# Allegro board pc065a_toplevel_45_8layers.brd (continued)
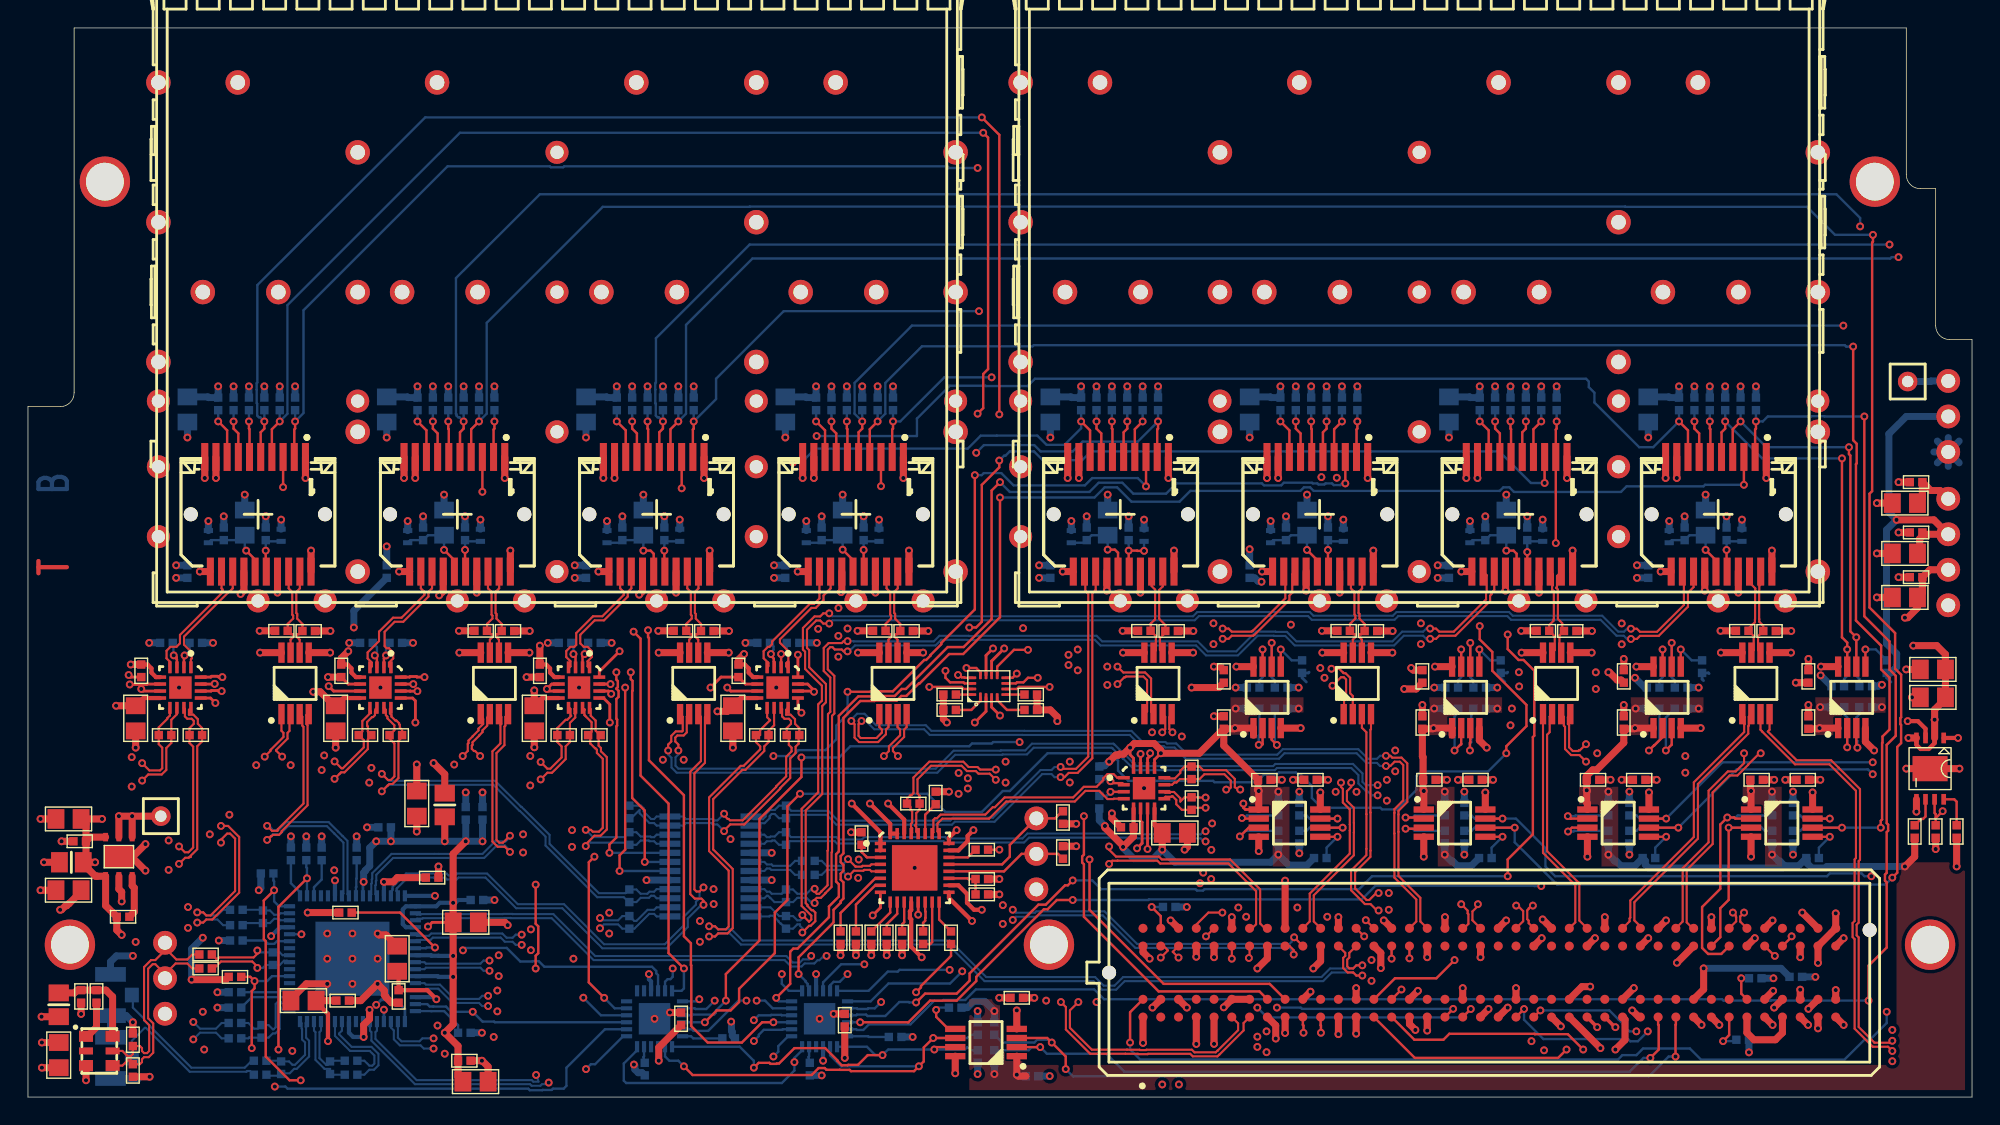
[diagram p0: board, top side]
## Routing (per net, layer and track width the routed paths; a pad name or vN(x,y) marks a point on that pad's centre or on a via; arc(x,y) is an arc through that point) (continued)
SFP_I2C_SCL<5>: length 28.1
  TOP w0.17: IC18.7 v1(102.47,32.03) ; v1(92.85,48.35) 92.85,47.83 92.59,47.57 J32.5
  L6_SIG w0.17: v1(102.47,32.03) 102.47,32.62 99.89,35.2 99.43,35.2 97.07,37.56 97.07,39.63 94.91,41.79 94.91,46.29 v1(92.85,48.35)
  BOTTOM w0.17: R120.1 v1(92.85,48.35) ; v1(102.47,32.03) 102.47,30.04 102.25,29.81 R165.1
SFP_I2C_SCL<6>: length 27.9
  TOP w0.17: J28.5 106.84,47.57 107.1,47.83 v1(107.1,48.35) ; IC19.7 v1(116.88,32.03)
  L6_SIG w0.17: v1(116.88,32.03) 116.88,33.66 109,41.53 109,44.3 108.7,44.6 108.7,46.75 v1(107.1,48.35)
  BOTTOM w0.17: R112.1 v1(107.1,48.35) ; R170.1 116.65,29.81 116.88,30.04 v1(116.88,32.03)
SFP_I2C_SCL<7>: length 30.7
  TOP w0.17: v1(129.7,45.7) 129.7,32.9 130.07,32.52 v1(130.07,32.03) IC20.7 ; v1(121.35,48.35) 121.35,47.83 121.09,47.57 J24.5
  BOTTOM w0.17: v1(130.07,32.03) 130.07,30.14 129.85,29.91 R175.1 ; R104.1 v1(121.35,48.35) 124,45.7 v1(129.7,45.7)
SFP_I2C_SDA<0>: length 147.9
  TOP w0.17: v1(18,48.35) 17.44,47.79 J7.4 ; IC12.6 v1(94,19.27) ; v1(67.9,48.9) 68.3,49.3 68.3,51.74 68.65,52.09 68.65,68.65 v1(68.3,69)
  L3_SIG w0.17: v1(93.58,44.31) 93.1,43.84 91.06,43.84 88.4,46.5 85.71,46.5 85.69,46.48 73.02,46.48 72.3,47.2 69.6,47.2 v1(67.9,48.9)
  L6_SIG w0.17: v1(93.58,44.31) 93.58,43.82 93.6,43.8 93.6,43.3 94.58,42.33 94.58,39.98 96.1,38.45 96.1,35.96 96.08,35.94 96.08,35.06 96.1,35.04 96.1,25.5 95.97,25.38 95.97,21.37 96.1,21.25 96.1,20.5 94.88,19.27 v1(94,19.27)
  BOTTOM w0.17: v1(94,19.27) 91.64,19.27 91.41,19.05 R139.1 ; v1(68.3,69) 30.88,69 18.55,56.67 18.55,48.89 v1(18,48.35) R28.1
SFP_I2C_SDA<1>: length 196.9
  TOP w0.17: J12.4 31.69,47.79 v1(32.25,48.35) ; IC14.6 v1(106.3,19.27) ; v1(133.3,15.7) 133.65,16.05 133.65,25.05 133.93,25.33 133.93,26.63 133.88,26.68 133.88,27.12 133.93,27.17 133.93,30.22 133.5,30.65 133.5,33.2 131.67,35.03 131.67,43.17 131.86,43.36 131.86,61.14 131.92,61.2 v1(131.92,61.7)
  BOTTOM w0.17: v1(133.3,15.7) 132.8,15.2 109.33,15.2 106.3,18.23 v1(106.3,19.27) 103.44,19.27 103.21,19.05 R144.1 ; R40.1 v1(32.25,48.35) 32.8,48.89 32.8,55.4 41.1,63.7 51.59,63.7 51.61,63.72 114.19,63.72 114.21,63.7 127.2,63.7 129.2,61.7 131.91,61.7 v1(131.92,61.7)
SFP_I2C_SDA<2>: length 159.3
  TOP w0.17: IC15.6 v1(118,19.27) ; v1(46.5,48.35) 45.94,47.79 J16.4
  L6_SIG w0.17: v1(131.9,23.1) 132.73,23.1 132.9,23.27 132.9,27.1 133.08,27.28 133.08,29.82 132.9,30 132.9,41.06 132.93,41.08 132.93,41.52 132.9,41.54 132.9,53.9 133.74,54.74 v1(133.74,60.1)
  BOTTOM w0.17: R48.1 v1(46.5,48.35) 47.05,48.89 47.05,55.25 51.8,60 133.15,60 133.25,60.1 v1(133.74,60.1) ; R149.1 115.01,19.05 115.24,19.27 v1(118,19.27) 122.17,23.45 131.55,23.45 v1(131.9,23.1)
SFP_I2C_SDA<3>: length 121.2
  TOP w0.17: v1(132.47,19.27) 132.47,19.77 132.57,19.86 132.57,25.34 132.6,25.37 132.6,25.8 133.1,26.3 133.1,30 132.5,30.6 132.5,32.3 130.7,34.1 130.7,45.29 130.75,45.35 130.75,46.74 130.5,47 v1(130.5,53.7) ; IC16.6 v1(129.7,19.27) ; J20.4 60.19,47.79 v1(60.75,48.35)
  BOTTOM w0.17: v1(130.5,53.7) 130.01,53.7 129.91,53.8 71.91,53.8 71.83,53.72 63.92,53.72 61.3,51.1 61.3,48.89 v1(60.75,48.35) R56.1 ; R154.1 126.71,19.05 126.94,19.27 v1(129.7,19.27) v1(132.47,19.27)
SFP_I2C_SDA<4>: length 28.6
  TOP w0.17: J36.4 79.14,47.79 v1(79.7,48.35) ; IC17.6 v1(88.92,32.5)
  L6_SIG w0.17: v1(79.7,48.35) 80.9,47.15 80.9,41.4 82.8,39.5 82.8,38 87.95,32.85 88.58,32.85 v1(88.92,32.5)
  BOTTOM w0.17: R129.1 v1(79.7,48.35) ; v1(88.92,32.5) 88.92,30.04 89.15,29.81 R159.1
SFP_I2C_SDA<5>: length 28.5
  TOP w0.17: IC18.6 v1(103.12,32.5) ; J32.4 93.39,47.79 v1(93.95,48.35)
  L6_SIG w0.17: v1(93.95,48.35) 93.95,47.71 95.23,46.43 95.23,41.93 97.4,39.77 97.4,37.7 98.89,36.2 99.36,36.2 102.71,32.85 102.78,32.85 v1(103.12,32.5)
  BOTTOM w0.17: R121.1 v1(93.95,48.35) ; R164.1 103.35,29.81 103.12,30.04 v1(103.12,32.5)
SFP_I2C_SDA<6>: length 28.3
  TOP w0.17: IC19.6 v1(117.53,32.5) ; J28.4 107.64,47.79 v1(108.2,48.35)
  L6_SIG w0.17: v1(108.2,48.35) 109.33,47.22 109.33,41.67 117.53,33.48 v1(117.53,32.5)
  BOTTOM w0.17: R169.1 117.75,29.81 117.53,30.04 v1(117.53,32.5) ; R113.1 v1(108.2,48.35)
SFP_I2C_SDA<7>: length 31.6
  TOP w0.17: v1(122.45,48.35) 121.89,47.79 J24.4 ; v1(130.2,46.5) 130.2,46.01 130.3,45.91 130.3,33.33 v1(130.72,32.9) 130.72,30.8
  BOTTOM w0.17: R105.1 v1(122.45,48.35) 124.3,46.5 127.49,46.5 127.51,46.48 128.44,46.48 128.46,46.5 v1(130.2,46.5) ; v1(130.72,32.9) 130.72,30.14 130.95,29.91 R174.1
SFP_LOS<0>: length 88.7
  TOP w0.17: J7.8 14.24,47.71 v1(13.6,48.35)
  L3_SIG w0.17: v1(7.7,11.1) 8.9,9.9 17.3,9.9 18.2,9 25.6,9 27.1,10.5 28.56,10.5 28.88,10.18 29.32,10.18 29.99,10.85 30.75,10.85 v1(31.1,10.5)
  L6_SIG w0.17: v1(13.6,48.35) 9.65,48.35 6.25,44.95 6.25,28.69 5.78,28.22 5.78,27.78 5.97,27.58 5.97,13.53 7.22,12.28 7.22,11.58 v1(7.7,11.1)
  BOTTOM w0.17: v1(31.1,10.5) 31.27,10.67 34.23,10.67 35.2,9.7 36.06,9.7 36.08,9.72 36.52,9.72 36.92,9.33 44.62,9.33 44.92,9.02 44.92,8.86 45.05,8.73 IC23.10 ; R25.2 v1(13.6,48.35)
SFP_LOS<1>: length 72.2
  TOP w0.17: v1(36.3,9.2) 36.3,10.11 36.48,10.29 36.48,12.22 36.3,12.4 v1(36.3,15.2) ; J12.8 28.49,47.71 v1(27.85,48.35)
  L3_SIG w0.17: v1(36.3,9.2) 36.42,9.33 44.62,9.33 44.74,9.2 v1(46.1,9.2) ; v1(21.9,16.23) 22.39,16.23 22.42,16.2 26.2,16.2 26.6,15.8 29.1,15.8 29.4,15.5 34.4,15.5 34.7,15.2 v1(36.3,15.2)
  L6_SIG w0.17: v1(27.85,48.35) 26.06,48.35 22.4,44.69 22.4,32.14 22.38,32.12 22.38,31.68 22.4,31.66 22.4,25.34 22.52,25.22 22.52,24.78 22.4,24.66 22.4,24.28 22.45,24.23 22.45,16.78 v1(21.9,16.23)
  BOTTOM w0.17: v1(46.1,9.2) 46.1,8.6 45.93,8.43 45.73,8.43 45.55,8.25 IC23.11 ; R37.2 v1(27.85,48.35)
SFP_LOS<2>: length 47.4
  TOP w0.17: J16.8 42.74,47.71 v1(42.1,48.35) ; v1(43.3,33.3) 43.8,32.8 43.8,23 45.8,21 45.8,10.3 v1(46.9,9.2)
  L6_SIG w0.17: v1(42.1,48.35) 43.3,47.15 43.3,36.29 42.9,35.89 42.9,33.7 v1(43.3,33.3)
  BOTTOM w0.17: v1(46.9,9.2) 46.9,7.77 46.73,7.6 IC23.12 ; R45.2 v1(42.1,48.35)
SFP_LOS<3>: length 49.9
  TOP w0.17: v1(56.35,48.35) 56.99,47.71 J20.8
  L6_SIG w0.17: v1(48,7) 48,9.5 49.6,11.1 49.6,16.2 50.8,17.4 50.8,24.66 50.92,24.78 50.92,25.22 50.8,25.34 50.8,31.35 50.67,31.48 50.67,31.92 50.8,32.05 50.8,32.25 50.77,32.28 50.77,32.72 50.8,32.75 50.8,35.04 50.82,35.06 50.82,42.32 55.87,47.37 55.87,47.86 v1(56.35,48.35)
  BOTTOM w0.17: R53.2 v1(56.35,48.35) ; IC23.13 47.85,6.85 v1(48,7)
SFP_LOS<4>: length 70.1
  TOP w0.17: v1(75.3,48.35) 75.94,47.71 J36.8
  L6_SIG w0.17: v1(54.7,45.4) 53,43.7 53,41.12 53.27,40.85 53.27,39.78 51.67,38.18 51.67,32.87 51.83,32.72 51.83,32.28 51.67,32.13 51.67,31.97 51.73,31.92 51.73,31.48 51.67,31.43 51.67,11.14 49.1,8.57 v1(49.1,6.9)
  BOTTOM w0.17: R126.2 v1(75.3,48.35) 75.3,47.85 74.12,46.67 72.83,46.67 72.17,47.33 69.26,47.33 69.26,47.32 68.13,47.32 67.2,46.4 56.3,46.4 55.3,45.4 v1(54.7,45.4) ; IC23.14 47.67,6.35 47.72,6.3 48.5,6.3 v1(49.1,6.9)
SFP_LOS<5>: length 87.4
  TOP w0.17: J32.8 90.19,47.71 v1(89.55,48.35) ; v1(55.3,24.3) 55.3,22.9 52.3,19.9 52.3,11.2 49.9,8.8 v1(49.9,6.9)
  L3_SIG w0.17: v1(90.3,33.8) 89.8,33.8 89.17,34.42 72.03,34.42 v1(71.15,33.55)
  L6_SIG w0.17: v1(89.55,48.35) 89.92,47.98 89.92,42.26 89.42,41.77 89.42,34.67 v1(90.3,33.8) ; v1(71.15,33.55) 70.33,32.73 70.33,31.88 69.5,31.06 69.5,29.2 70.9,27.8 v1(70.9,25.4)
  BOTTOM w0.17: R118.2 v1(89.55,48.35) ; v1(55.3,24.3) 58,24.3 58.8,25.1 67.3,25.1 67.5,25.3 68.91,25.3 69.01,25.4 v1(70.9,25.4) ; IC23.15 47.47,5.85 47.52,5.9 49.06,5.9 49.18,6.03 49.18,6.18 v1(49.9,6.9)
SFP_LOS<6>: length 109.3
  TOP w0.17: v1(105.7,24.6) 105.7,25.1 107.14,26.54 107.14,28.06 104.7,30.5 104.7,31.85 103.8,32.75 v1(103.8,33.7) ; J28.8 104.44,47.71 v1(103.8,48.35) ; v1(55.2,21.7) 54.3,20.8 54.3,14.1 53.4,13.2 53.4,10.3 50.84,7.74 50.84,6.8 50.24,6.2 49.25,6.2 v1(48.4,5.35)
  L6_SIG w0.17: v1(103.8,33.7) 103.8,41.21 103.67,41.34 103.67,43.59 104.17,44.08 104.17,47.98 v1(103.8,48.35)
  BOTTOM w0.17: v1(105.7,24.6) 104.4,23.3 99.6,23.3 99.28,22.98 99.28,21.98 97.88,20.58 96.82,20.58 96.7,20.7 92.5,20.7 91.8,21.4 91.8,22.26 90.99,23.07 90.82,23.07 90.66,23.23 89.44,23.23 89.28,23.07 88.37,23.07 87.83,22.53 84.84,22.53 84.74,22.62 78.67,22.62 77.94,23.36 77.94,24.07 77.83,24.18 77.83,24.22 77.52,24.52 77.48,24.52 77.47,24.53 77.47,24.57 77.45,24.6 72.9,24.6 70.2,21.9 69.7,21.9 68.2,20.4 65.6,20.4 64.3,21.7 v1(55.2,21.7) ; IC23.16 v1(48.4,5.35) ; R110.2 v1(103.8,48.35)
SFP_LOS<7>: length 119.5
  TOP w0.17: J24.8 118.69,47.71 v1(118.05,48.35)
  L6_SIG w0.17: v1(51.37,6.9) 51.37,10.37 52,11 52,31.29 52.05,31.35 52.05,32.05 52.16,32.15 52.16,32.85 52,33.01 52,37.6 53.6,39.2 53.6,40.99 53.33,41.26 53.33,42.97 56.39,46.04 v1(56.39,47.3)
  BOTTOM w0.17: IC23.17 47.47,4.85 47.59,4.73 48.63,4.73 50.8,6.9 v1(51.37,6.9) ; v1(56.39,47.3) 63.56,47.3 63.56,48.55 65.91,50.9 68.46,50.9 68.48,50.88 71.47,50.88 72,51.4 111.4,51.4 111.6,51.2 111.6,50.8 112,50.4 112,49.7 115.2,46.5 116.2,46.5 v1(118.05,48.35) R102.2
SFP_TD_N: length 6.4
  TOP w0.15: U3.6 19.43,32.73 19.25,32.91 19.25,33.12 19.39,33.12 R23.1 19.62,33.85 19.25,34.24 19.25,34.45 19.25,34.57 19.18,34.64 19.18,36.14 19.44,36.4 J7.19
SFP_TD_N_1: length 6.4
  TOP w0.15: J12.19 33.69,36.4 33.44,36.14 33.44,34.64 33.5,34.57 33.5,34.45 33.5,34.24 33.87,33.85 R35.1 33.64,33.12 33.5,33.12 33.5,32.91 33.67,32.73 U4.6
SFP_TD_N_2: length 6.4
  TOP w0.15: 47.92,31.8 47.92,32.73 47.74,32.91 47.74,33.12 47.89,33.12 R43.1 48.12,33.85 47.75,34.24 47.75,34.45 47.75,34.57 47.69,34.64 47.69,36.14 47.94,36.4 J16.19
SFP_TD_N_3: length 6.4
  TOP w0.15: U6.6 62.17,32.73 61.99,32.91 61.99,33.12 62.14,33.12 R51.1 62.37,33.85 62,34.24 62,34.45 62,34.57 61.94,34.64 61.94,36.14 62.19,36.4 J20.19
SFP_TD_N_4: length 6.2
  TOP w0.15: U7.6 123.7,31.98 123.7,32.98 R100.1 124.07,33.73 123.79,34.01 123.79,34.19 123.78,34.2 123.78,36.08 123.79,36.1 123.79,36.59 123.89,36.69 J24.19
SFP_TD_N_5: length 6.4
  TOP w0.15: J28.19 109.33,37.29 109.33,36.5 109.26,36.44 109.39,36.31 109.39,34.22 109.54,34.07 109.54,34.06 109.7,33.9 109.7,33.48 R108.1 109.5,33.03 109.5,31.92 U8.6
SFP_TD_N_6: length 6.4
  TOP w0.15: U9.6 95.38,32.73 95.19,32.91 95.19,33.12 95.34,33.12 R116.1 95.57,33.85 95.2,34.24 95.2,34.45 95.2,34.57 95.14,34.64 95.14,36.14 95.39,36.4 J32.19
SFP_TD_N_7: length 6.3
  TOP w0.15: U10.6 80.94,31.99 80.94,32.84 81.32,33.22 R124.1 81.32,33.77 80.88,34.23 80.88,34.4 80.88,36.28 81.14,36.54 J36.19
SFP_TD_P: length 6.4
  TOP w0.15: U3.7 18.77,32.73 18.95,32.91 18.95,33.12 18.81,33.12 R22.1 18.57,33.86 18.96,34.24 18.96,34.45 18.89,34.52 18.89,36.14 18.64,36.4 J7.18
SFP_TD_P_1: length 6.4
  TOP w0.15: 33.02,31.8 33.02,32.73 33.2,32.91 33.2,33.12 33.06,33.12 R34.1 32.82,33.86 33.21,34.24 33.21,34.45 33.14,34.52 33.14,36.14 32.89,36.4 J12.18
SFP_TD_P_2: length 6.4
  TOP w0.15: U5.7 47.27,32.73 47.45,32.91 47.45,33.12 47.31,33.12 R42.1 47.07,33.86 47.46,34.24 47.46,34.45 47.4,34.52 47.4,36.14 47.14,36.4 J16.18
SFP_TD_P_3: length 6.4
  TOP w0.15: U6.7 61.52,32.73 61.7,32.91 61.7,33.12 61.56,33.12 R50.1 61.32,33.86 61.71,34.24 61.71,34.45 61.65,34.52 61.65,36.14 61.39,36.4 J20.18
SFP_TD_P_4: length 6.4
  TOP w0.15: U7.7 123.39,31.97 123.39,32.99 R99.1 123.02,33.53 123.48,33.97 123.48,34.19 123.49,34.2 123.49,36.2 123.5,36.22 123.5,36.4 123.09,36.81 J24.18
SFP_TD_P_5: length 6.3
  TOP w0.15: J28.18 109.03,37.41 109.03,36.62 108.97,36.56 108.97,36.32 109.1,36.19 109.1,34.19 109.07,34.16 109.07,34.07 108.77,33.78 R107.1 109.17,32.97 109.17,31.99 U8.7
SFP_TD_P_6: length 6.4
  TOP w0.15: J32.18 94.59,36.4 94.84,36.14 94.84,34.52 94.91,34.45 94.91,34.24 94.52,33.86 R115.1 94.76,33.12 94.91,33.12 94.91,32.91 94.72,32.73 U9.7
SFP_TD_P_7: length 6.3
  TOP w0.15: U10.7 80.64,31.97 80.64,32.95 80.6,32.99 80.6,33.03 R123.1 80.28,33.88 80.59,34.19 80.59,34.4 80.59,36.31 80.34,36.56 J36.18
SFP_TX_DISABLE<0>: length 81.1
  TOP w0.17: J7.3 v1(18.24,43.64)
  L3_SIG w0.17: v1(53.3,2.9) 52.42,2.9 52.38,2.87 51.42,2.87 51.36,2.93 45.52,2.93 45.32,3.12 34.32,3.12 33.99,2.8 33,2.8 32.67,3.12 32.24,3.12 31.61,2.5 27.6,2.5 26.8,3.3 v1(18.9,3.3)
  L6_SIG w0.17: v1(18.24,43.64) 18.62,43.25 18.62,27.08 19.31,26.39 19.31,22.41 18.27,21.38 18.27,3.93 v1(18.9,3.3)
  BOTTOM w0.17: IC10.1 54.35,4.35 53.65,3.65 53.65,3.25 v1(53.3,2.9)
SFP_TX_DISABLE<1>: length 65.2
  TOP w0.17: J12.3 v1(32.49,43.31)
  L3_SIG w0.17: v1(33.3,4.3) 33.47,4.13 48.57,4.13 48.69,4.01 v1(51.9,4.01)
  L6_SIG w0.17: v1(32.49,43.31) 32.88,42.92 32.88,41.08 31.9,40.1 31.9,37.03 32.86,36.07 32.86,22.19 33.02,22.02 33.02,18.08 32.2,17.26 32.2,7.71 32.38,7.53 32.38,6.12 33.3,5.2 v1(33.3,4.3)
  BOTTOM w0.17: IC10.2 53.97,4.85 53.93,4.81 52.61,4.81 52.26,4.46 52.26,4.36 v1(51.9,4.01)
SFP_TX_DISABLE<2>: length 51.6
  TOP w0.17: J16.3 v1(46.74,43.56) ; v1(44.34,33.4) 44.34,32.91 44.4,32.85 44.4,24.1 46.9,21.6 46.9,11.51 47.4,11.01 47.4,9.44 47.42,9.42 47.42,5.08 48.6,3.9 51.04,3.9 52.49,5.35 v1(53.3,5.35)
  L6_SIG w0.17: v1(46.74,43.56) 47.12,43.17 47.12,36.14 45.42,34.43 45.36,34.43 v1(44.34,33.4)
  BOTTOM w0.17: v1(53.3,5.35) IC10.3
SFP_TX_DISABLE<3>: length 47.3
  TOP w0.17: J20.3 v1(60.99,43.71)
  L6_SIG w0.17: v1(51.9,5.5) 52.9,6.5 52.9,12.07 54.8,13.97 54.8,20.56 55.83,21.58 55.83,27.72 55.73,27.82 55.73,28.73 55.67,28.78 55.67,29.22 55.73,29.27 55.73,30.27 55.5,30.5 55.5,31.36 55.58,31.43 55.58,32.98 55.67,33.08 55.67,33.52 55.56,33.63 55.56,37.82 55.56,38.06 59.23,41.73 59.23,41.95 v1(60.99,43.71)
  BOTTOM w0.17: v1(51.9,5.5) 52.25,5.85 53.1,5.85 53.14,5.88 53.86,5.88 53.89,5.85 IC10.4
SFP_TX_DISABLE<4>: length 65.9
  TOP w0.17: v1(67.7,44.5) 67.7,34.89 65.3,32.49 65.3,32.4 64.53,31.62 64.53,31.58 64.22,31.27 64.08,31.27 61.84,29.03 60.28,29.03 60.25,29 v1(58.6,29) ; J36.3 v1(79.94,43.7)
  L6_SIG w0.17: v1(52.1,6.9) 52.1,10.4 52.33,10.63 52.33,23.43 v1(53.3,24.4)
  BOTTOM w0.17: v1(58.6,29) 58.6,27.38 57.8,26.58 57.8,25.6 57.02,24.83 55.08,24.83 54.66,24.4 v1(53.3,24.4) ; v1(67.7,44.5) 68.19,44.5 68.34,44.65 69.59,44.65 70.47,43.77 75.57,43.77 76.09,44.29 79.35,44.29 v1(79.94,43.7) ; v1(52.1,6.9) 52.7,6.9 53.25,6.35 IC10.5
SFP_TX_DISABLE<5>: length 75.6
  TOP w0.17: J32.3 v1(94.19,43.91) ; v1(53.5,7.1) 54.5,8.1 54.5,10.4 54.73,10.62 55.02,10.62 57.27,12.87 57.27,13.64 57.98,14.34 57.98,15.23 57.78,15.42 57.78,17.38 57.98,17.57 57.98,27.27 59.37,28.67 60.38,28.67 60.41,28.7 61.97,28.7 62.47,29.2 62.77,29.2 65.77,32.2 66.9,32.2 68.9,34.2 68.9,43.4 v1(69.5,44)
  BOTTOM w0.17: v1(53.5,7.1) 53.5,7.02 53.67,6.85 IC10.6 ; v1(94.19,43.91) 93.95,43.91 93.83,43.79 93.36,43.79 93.24,43.91 92.77,43.91 92.7,43.84 92.26,43.84 92.19,43.91 91.85,43.91 91.8,43.96 89.8,43.96 89.61,43.77 88.37,43.77 88.23,43.91 82.11,43.91 81.38,43.17 79.03,43.17 78.24,43.96 76.56,43.96 75.9,43.3 70.2,43.3 v1(69.5,44)
SFP_TX_DISABLE<6>: length 94.5
  TOP w0.17: v1(67.3,33.6) 67.79,33.6 68.2,34.01 68.2,43.81 69.45,45.05 v1(69.45,45.55) ; J28.3 v1(108.44,43.94)
  L3_SIG w0.17: v1(67.3,33.6) 66.7,34.2 59.27,34.2 v1(58.6,33.52)
  L6_SIG w0.17: v1(58.6,33.52) 57.72,33.52 57.42,33.22 57.42,33.21 57.12,32.92 57.12,32.38 57.12,32.38 57.12,32.36 56.77,32.01 56.77,28.83 56.3,28.36 56.3,21.2 55.3,20.2 55.3,14 53.9,12.6 v1(53.9,8.8)
  BOTTOM w0.17: IC10.7 54.4,7.6 53.9,8.1 v1(53.9,8.8) ; v1(69.45,45.55) 69.79,45.89 69.89,45.89 70.2,46.2 71.93,46.2 72.56,45.57 75.37,45.57 76,46.2 105.2,46.2 107.46,43.94 v1(108.44,43.94)
SFP_TX_DISABLE<7>: length 101.1
  TOP w0.17: J24.3 v1(122.69,43.81) ; v1(69.5,42.9) 69.5,34.33 66.87,31.7 65.86,31.7 63.76,29.6 63.7,29.6 62.8,28.7 62.44,28.7 62.11,28.37 60.55,28.37 60.52,28.34 59.51,28.34 58.31,27.14 58.31,17.44 58.11,17.24 58.11,16.81 58.3,16.61 58.3,16.19 58.11,15.99 58.11,15.56 58.3,15.36 58.3,14.21 58.11,14.01 58.11,13.91 57.6,13.4 57.6,12.5 55.1,10 v1(55.1,8.8)
  BOTTOM w0.17: v1(122.69,43.81) 119.91,43.81 119.8,43.7 114.3,43.7 113.9,43.3 106.25,43.3 105.92,43.63 105.48,43.63 105.23,43.37 91.92,43.37 91.67,43.63 91.23,43.63 90.98,43.37 83.11,43.37 82.34,42.6 78.9,42.6 77.87,43.63 76.98,43.63 76.25,42.9 v1(69.5,42.9) ; v1(55.1,8.8) 55.6,8.3 55.6,8.25 55.74,8.1 55.74,7.96 55.85,7.85 IC10.8
UNNAMED_1_CAPCERSMDCL2_I31_B: length 5.7
  TOP w0.17: v1(15.6,39.1) 16.24,38.46 J7.15
  BOTTOM w0.17: L5.1 13.09,39.85 C35.2 15.15,39.85 C34.2 15.5,39.2 v1(15.6,39.1)
UNNAMED_1_CAPCERSMDCL2_I31_B_1: length 5.7
  TOP w0.17: J12.15 30.49,38.41 v1(29.75,39.15)
  BOTTOM w0.17: v1(29.75,39.15) C43.2 28.6,40.2 C44.2 27.34,39.85 L7.1
UNNAMED_1_CAPCERSMDCL2_I31_B_2: length 6
  TOP w0.17: v1(44,39.1) 44.52,39.1 44.74,38.88 J16.15
  BOTTOM w0.17: v1(44,39.1) C48.2 43.65,39.85 C49.2 42.31,39.66 L9.1
UNNAMED_1_CAPCERSMDCL2_I31_B_3: length 5.7
  TOP w0.17: J20.15 58.99,38.43 v1(58.25,39.17)
  BOTTOM w0.17: L11.1 56.56,39.66 C54.2 57.9,39.85 C53.2 v1(58.25,39.17)
UNNAMED_1_CAPCERSMDCL2_I31_B_4: length 5.7
  TOP w0.17: v1(119.95,39.15) 120.69,38.41 J24.15
  BOTTOM w0.17: v1(119.95,39.15) C62.2 118.8,40.2 C63.2 117.53,39.85 L13.1
UNNAMED_1_CAPCERSMDCL2_I31_B_5: length 6
  TOP w0.17: v1(105.7,39.1) 106.22,39.1 106.44,38.88 J28.15
  BOTTOM w0.17: L15.1 103.28,39.85 C68.2 104.55,40.2 C67.2 v1(105.7,39.1)
UNNAMED_1_CAPCERSMDCL2_I31_B_6: length 5.7
  TOP w0.17: v1(91.45,39.15) 92.19,38.41 J32.15
  BOTTOM w0.17: v1(91.45,39.15) C72.2 90.3,40.2 C73.2 89.03,39.85 L17.1
UNNAMED_1_CAPCERSMDCL2_I31_B_7: length 6
  TOP w0.17: v1(77.2,39.17) 77.72,39.17 77.94,38.95 J36.15
  BOTTOM w0.17: L19.1 75.52,39.66 C78.2 76.05,40.2 C77.2 v1(77.2,39.17)
UNNAMED_1_CAPCERSMDCL2_I35_B: length 3.4
  TOP w0.17: J7.16 17,37.64 v1(17,39.1)
  BOTTOM w0.17: 18.1,39.77 17.09,39.77 C33.2 v1(17,39.1)
UNNAMED_1_CAPCERSMDCL2_I35_B_1: length 3.4
  TOP w0.17: J12.16 31.25,37.64 v1(31.25,39.15)
  BOTTOM w0.17: 32.35,39.77 31.34,39.77 C42.2 v1(31.25,39.15)
UNNAMED_1_CAPCERSMDCL2_I35_B_2: length 3.4
  TOP w0.17: J16.16 45.5,37.64 v1(45.5,39.1)
  BOTTOM w0.17: v1(45.5,39.1) C47.2 45.59,39.77 46.6,39.77
UNNAMED_1_CAPCERSMDCL2_I35_B_3: length 3.4
  TOP w0.17: v1(59.75,39.15) 59.75,37.64 J20.16
  BOTTOM w0.17: v1(59.75,39.15) C52.2 59.84,39.77 60.85,39.77
UNNAMED_1_CAPCERSMDCL2_I35_B_4: length 3.4
  TOP w0.17: J24.16 121.45,37.64 v1(121.45,39.15)
  BOTTOM w0.17: 122.55,39.77 121.53,39.77 C61.2 v1(121.45,39.15)
UNNAMED_1_CAPCERSMDCL2_I35_B_5: length 3.4
  TOP w0.17: v1(107.2,39) 107.2,37.64 J28.16
  BOTTOM w0.17: v1(107.2,39) C66.2 107.28,39.77 108.3,39.77
UNNAMED_1_CAPCERSMDCL2_I35_B_6: length 3.4
  TOP w0.17: J32.16 92.95,37.64 v1(92.95,39.15)
  BOTTOM w0.17: 94.05,39.77 93.03,39.77 C71.2 v1(92.95,39.15)
UNNAMED_1_CAPCERSMDCL2_I35_B_7: length 4.1
  TOP w0.17: J36.16 78.7,37.64 v1(78.7,39.1) 79.29,39.1 79.31,39.08 v1(79.8,39.08)
  BOTTOM w0.17: C76.2 v1(78.7,39.1) ; 79.8,39.77 v1(79.8,39.08)
UNNAMED_1_CON20PSFP_I19_RATES_1: length 3.5
  TOP w0.17: v1(28.95,48.35) 28.95,47.83 29.29,47.49 J12.7
  BOTTOM w0.17: R41.1 v1(28.95,48.35)
UNNAMED_1_CON20PSFP_I19_RATES_2: length 3.5
  TOP w0.17: v1(43.2,48.35) 43.2,47.83 43.54,47.49 J16.7
  BOTTOM w0.17: R49.1 v1(43.2,48.35)
UNNAMED_1_CON20PSFP_I19_RATES_3: length 3.5
  TOP w0.17: v1(57.45,48.35) 57.45,47.83 57.79,47.49 J20.7
  BOTTOM w0.17: R57.1 v1(57.45,48.35)
UNNAMED_1_CON20PSFP_I19_RATES_4: length 3.5
  TOP w0.17: v1(119.15,48.35) 119.15,47.83 119.49,47.49 J24.7
  BOTTOM w0.17: R106.1 v1(119.15,48.35)
UNNAMED_1_CON20PSFP_I19_RATES_5: length 3.5
  TOP w0.17: v1(104.9,48.35) 104.9,47.83 105.24,47.49 J28.7
  BOTTOM w0.17: R114.1 v1(104.9,48.35)
UNNAMED_1_CON20PSFP_I19_RATES_6: length 3.5
  TOP w0.17: J32.7 90.99,47.49 90.65,47.83 v1(90.65,48.35)
  BOTTOM w0.17: R122.1 v1(90.65,48.35)
UNNAMED_1_CON20PSFP_I19_RATES_7: length 3.5
  TOP w0.17: J36.7 76.74,47.49 76.4,47.83 v1(76.4,48.35)
  BOTTOM w0.17: R130.1 v1(76.4,48.35)
UNNAMED_1_CON20PSFP_I19_RATESEL: length 3.5
  TOP w0.17: J7.7 15.04,47.49 14.7,47.83 v1(14.7,48.35)
  BOTTOM w0.17: R29.1 v1(14.7,48.35)
UNNAMED_1_RSMD0402_I7_B: length 3.2
  TOP w0.17: IC11.5 65.8,4.88 64.94,5.74 v1(64.94,6.24)
  BOTTOM w0.17: v1(64.94,6.24) 65.1,6.4 R133.2
UNNAMED_1_RSMD0402_I7_B_1: length 3.1
  TOP w0.17: IC12.5 v1(93.63,18.62)
  BOTTOM w0.17: R138.2 92.85,17.85 v1(93.63,18.62)
UNNAMED_1_RSMD0402_I7_B_2: length 3.1
  TOP w0.17: IC14.5 v1(105.43,18.62)
  BOTTOM w0.17: v1(105.43,18.62) 104.65,17.85 R143.2
UNNAMED_1_RSMD0402_I7_B_3: length 3.1
  TOP w0.17: IC15.5 v1(117.13,18.62)
  BOTTOM w0.17: v1(117.13,18.62) 116.35,17.85 R148.2
UNNAMED_1_RSMD0402_I7_B_4: length 3.1
  TOP w0.17: IC16.5 v1(128.83,18.62)
  BOTTOM w0.17: R153.2 128.05,17.85 v1(128.83,18.62)
UNNAMED_1_RSMD0402_I7_B_5: length 3.1
  TOP w0.17: 89.58,30.8 v1(89.58,32.03)
  BOTTOM w0.17: v1(89.58,32.03) 90.35,31.25 R158.2
UNNAMED_1_RSMD0402_I7_B_6: length 3.1
  TOP w0.17: 103.78,30.8 v1(103.78,32.03)
  BOTTOM w0.17: R163.2 104.55,31.25 v1(103.78,32.03)
UNNAMED_1_RSMD0402_I7_B_7: length 3.1
  TOP w0.17: IC19.5 v1(118.17,32.03)
  BOTTOM w0.17: R168.2 118.95,31.25 v1(118.17,32.03)
UNNAMED_1_RSMD0402_I7_B_8: length 3.1
  TOP w0.17: IC20.5 v1(131.38,32.03)
  BOTTOM w0.17: v1(131.38,32.03) 132.12,32.03 R173.2
UNNAMED_1_RSMD0402_I10_B: length 1.9
  TOP w0.17: IC4.3 10.65,31.31 10.62,31.33 10.62,31.48 10.49,31.61 v1(10.42,31.61)
  BOTTOM w0.17: R59.2 10.4,32.45 10.4,31.7 10.42,31.68 v1(10.42,31.61)
UNNAMED_1_RSMD0402_I10_B_1: length 2
  TOP w0.17: IC5.3 24.95,31.45 v1(24.8,31.6)
  BOTTOM w0.17: R63.2 24.95,32.2 24.95,31.75 v1(24.8,31.6)
UNNAMED_1_RSMD0402_I10_B_2: length 1.9
  TOP w0.17: IC6.3 39.15,31.55 v1(39,31.7)
  BOTTOM w0.17: R67.2 39,32.35 v1(39,31.7)
UNNAMED_1_RSMD0402_I10_B_3: length 2
  TOP w0.17: v1(53.12,31.7) 53.2,31.62 53.2,31.5 53.33,31.38 53.33,31.19 53.35,31.16 IC7.3
  BOTTOM w0.17: R71.2 53.3,32.25 53.3,32 53.2,31.9 53.2,31.78 v1(53.12,31.7)
UNNAMED_1_RSMD0402_I10_B_4: length 1.9
  TOP w0.17: IC13.3 78.34,21.84 v1(77.4,21.84)
  BOTTOM w0.17: R96.2 77.11,21.55 v1(77.4,21.84)
UNNAMED_1_RSMD0402_I11_B: length 1.9
  TOP w0.17: v1(11.2,31.6) 11.15,31.55 IC4.2
  BOTTOM w0.17: R58.2 11.55,31.95 v1(11.2,31.6)
UNNAMED_1_RSMD0402_I11_B_1: length 1.9
  TOP w0.17: v1(25.6,31.6) 25.48,31.48 25.48,31.41 25.45,31.39 IC5.2
  BOTTOM w0.17: R62.2 25.6,32.25 v1(25.6,31.6)
UNNAMED_1_RSMD0402_I11_B_2: length 1.9
  TOP w0.17: IC6.2 39.65,31.55 v1(39.8,31.7)
  BOTTOM w0.17: v1(39.8,31.7) 39.8,32.25 R66.2
UNNAMED_1_RSMD0402_I11_B_3: length 2.1
  TOP w0.17: IC7.2 v1(53.85,31.7)
  BOTTOM w0.17: R70.2 54.25,31.87 54.08,31.7 v1(53.85,31.7)
UNNAMED_1_RSMD0402_I11_B_4: length 1.9
  TOP w0.17: v1(77.4,22.6) 77.54,22.46 78.24,22.46 IC13.2
  BOTTOM w0.17: R95.2 77.11,22.75 77.26,22.6 v1(77.4,22.6)
UNNAMED_4_FMCLPCGENERIC_I1_GA0: length 2.9
  TOP w0.17: 121.64,5.73 121.64,4.44 v1(121.2,4)
  BOTTOM w0.17: v1(121.2,4) 122.05,4 R184.2
UNNAMED_4_FMCLPCGENERIC_I1_GA1: length 2.2
  TOP w0.17: v1(122.5,8.5) 122.5,7.4 122.91,7
  BOTTOM w0.17: R185.2 v1(122.5,8.5)
UNNAMED_7_CAPCERSMDCL2_I28_B: length 2.7
  TOP w0.17: C101.2 137.9,21.13 137.73,21.3 U11.8
UNNAMED_7_CON3P_I14_A: length 2.9
  BOTTOM w0.5: J39.1 136.07,51.24 136.03,51.2 TP10.1
UNNAMED_7_MP20075REG_I17_REF: length 2.3
  TOP w0.17: R183.2 135.35,19.9 135.5,19.9 135.68,20.08 U11.6
UNNAMED_8_DSC1123CI5_I74_EN: length 2.8
  TOP w0.5: QZ1.1 4.25,4.35 4.9,5 R3.2
UNNAMED_8_LP38692SD_I104_EN: length 3.1
  TOP w0.5: U2.3 7.45,15.12 7.6,14.97 7.6,13.25 R2.2
UNNAMED_8_RSMD0402_I25_B: length 3.8
  BOTTOM w0.17: R20.2 16,7.15 IC3.3
UNNAMED_8_RSMD0402_I26_B: length 3.5
  BOTTOM w0.17: R21.2 17.94,7.5 18.09,7.65 IC3.4
UNNAMED_8_RSMD0402_I28_B: length 4
  BOTTOM w0.17: R18.2 30.75,5.15 29.75,6.15 28.85,6.15 28.84,6.15 IC3.48
UNNAMED_8_RSMD0402_I29_B: length 2.6
  BOTTOM w0.17: IC3.25 23.45,15.01 23.48,15.04 23.48,15.62 23.5,15.64 R19.2
UNNAMED_8_RSMD0402_I30_B: length 8.4
  TOP w0.17: R6.2 26.6,13.2 v1(29.1,10.7)
  BOTTOM w0.17: v1(29.1,10.7) 28.51,10.7 28.46,10.65 IC3.39
UNNAMED_8_RSMD0402_I66_B: length 3.5
  BOTTOM w0.17: R10.2 16.92,11.2 17.16,10.96 17.61,10.96 17.8,11.15 IC3.11
UNNAMED_8_RSMD0402_I67_B: length 2.8
  BOTTOM w0.17: IC3.17 19.45,14.65 18.8,15.3 R11.2
UNNAMED_8_RSMD0402_I68_B: length 2.8
  BOTTOM w0.17: R12.2 21,15.56 20.45,15.01 IC3.19
UNNAMED_10_ADN2814_I34_CF1: length 3.6
  TOP w0.17: C58.1 64.51,10.95 64.65,11.09 IC9.15
UNNAMED_10_ADN2814_I34_CF2: length 2.2
  TOP w0.17: IC9.14 64.15,13.29 64.17,13.27 64.17,12.83 64.15,12.81 64.15,12.61 64,12.46 C58.2
UNNAMED_10_ADN2814_I34_LOL: length 2.5
  TOP w0.17: IC9.16 65.15,12.7 R91.1
UNNAMED_10_ADN2814_I34_LOS: length 2.1
  TOP w0.17: IC9.22 67.2,17.15 R89.2
UNNAMED_10_ADN2814_I34_REFCLKN: length 2.2
  TOP w0.17: R85.2 62.5,12.36 62.65,12.51 IC9.11
UNNAMED_10_ADN2814_I34_REFCLKP: length 2.4
  TOP w0.17: R84.2 61.4,12.36 62.15,13.11 IC9.10
UNNAMED_10_ADN2814_I34_SADDRS: length 3
  TOP w0.17: IC9.19 67.19,15.65 67.24,15.6 R82.2 R83.2
UNNAMED_10_ADN2814_I34_SLICEN: length 4.2
  TOP w0.17: IC9.7 60.58,15.15 59.2,13.77 R87.2
UNNAMED_10_ADN2814_I34_SLICEP: length 5.2
  TOP w0.17: R86.2 58.1,13.17 60.58,15.65 IC9.6
UNNAMED_10_ADN2814_I34_SQUELCH: length 2.4
  TOP w0.17: R90.1 64.15,20.2 IC9.27
UNNAMED_10_ADN2814_I34_THRADJ: length 2.7
  TOP w0.17: R88.2 61.65,13.2 IC9.9
UNNAMED_10_ADN2814_I34_VREF: length 2
  TOP w0.17: C57.1 59.6,17.54 59.61,17.52 59.62,17.52 59.92,17.22 59.92,17.21 59.99,17.15 IC9.3
UNNAMED_13_74AVC4T245BRIS_I75_1: length 2.4
  TOP w0.17: IC21.4 69.3,28.4 70,27.7 R176.1
